# EAGLE board working (EAGLE 9.6.2), part 10 of 28
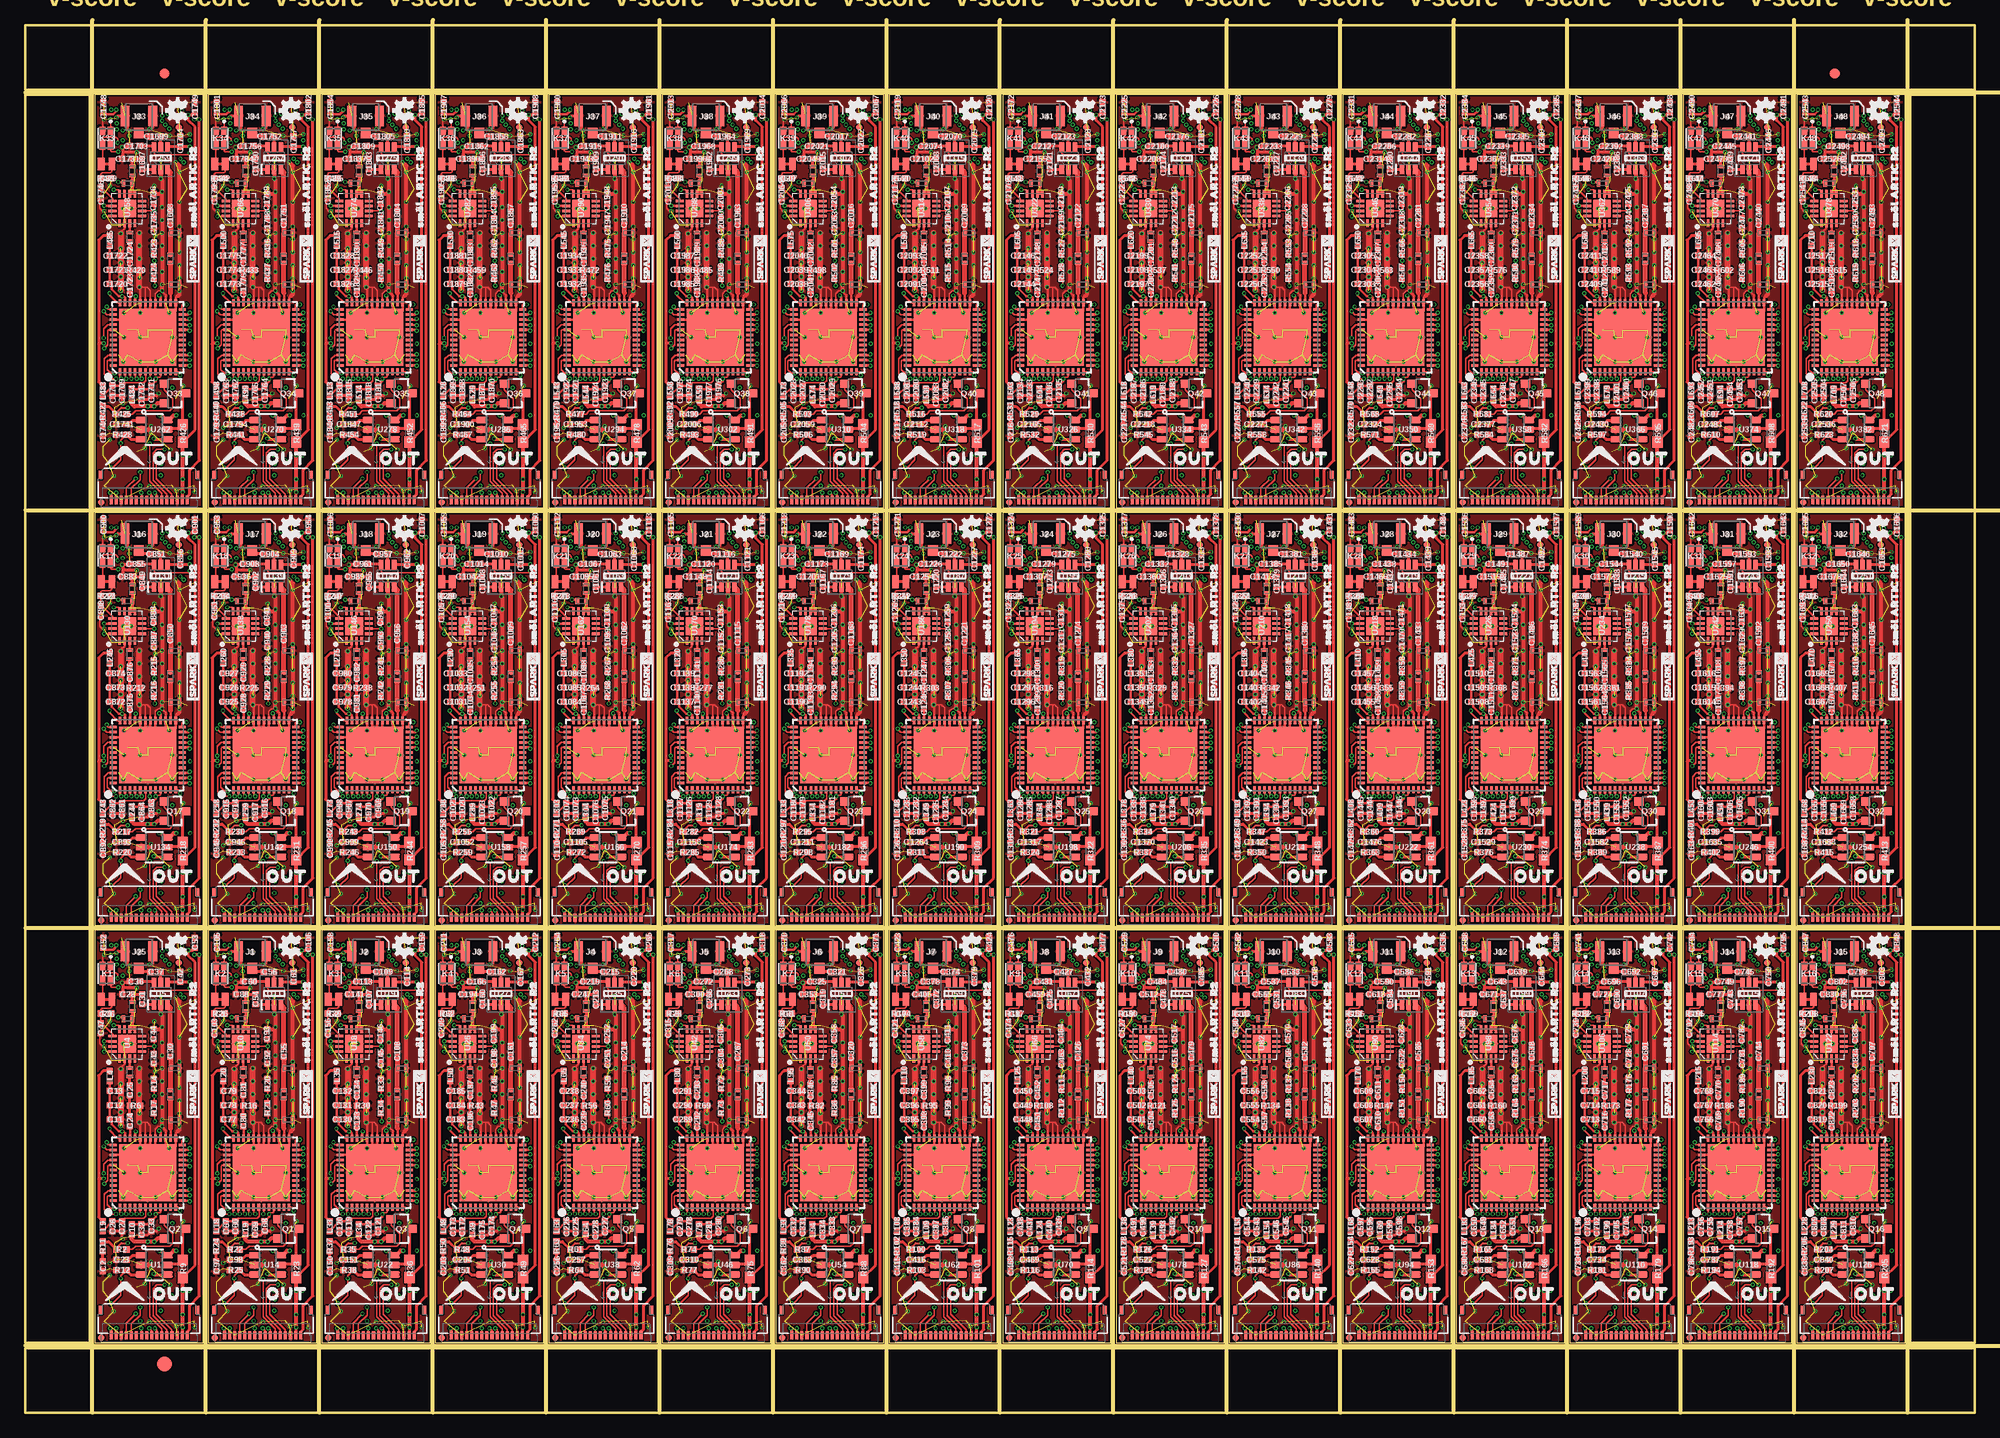
[diagram p0: board, top side]
## Nets (continued)
VDD27: C1436.1 C1467.1 C1468.1 C1469.1 C1477.1 C1478.1 C1479.1 C1482.1 L407.2 L409.2 L411.2 L415.P$1 L420.2 Q28.2 R357.2 U220.1 U220.3 U221.1 U221.3 U224.8 VDD27.1
VDD28: C1489.1 C1520.1 C1521.1 C1522.1 C1530.1 C1531.1 C1532.1 C1535.1 L422.2 L424.2 L426.2 L430.P$1 L435.2 Q29.2 R370.2 U228.1 U228.3 U229.1 U229.3 U232.8 VDD28.1
VDD29: C1542.1 C1573.1 C1574.1 C1575.1 C1583.1 C1584.1 C1585.1 C1588.1 L437.2 L439.2 L441.2 L445.P$1 L450.2 Q30.2 R383.2 U236.1 U236.3 U237.1 U237.3 U240.8 VDD29.1
VDD30: C1595.1 C1626.1 C1627.1 C1628.1 C1636.1 C1637.1 C1638.1 C1641.1 L452.2 L454.2 L456.2 L460.P$1 L465.2 Q31.2 R396.2 U244.1 U244.3 U245.1 U245.3 U248.8 VDD30.1
VDD31: C1648.1 C1679.1 C1680.1 C1681.1 C1689.1 C1690.1 C1691.1 C1694.1 L467.2 L469.2 L471.2 L475.P$1 L480.2 Q32.2 R409.2 U252.1 U252.3 U253.1 U253.3 U256.8 VDD31.1
VDD32: C1701.1 C1732.1 C1733.1 C1734.1 C1742.1 C1743.1 C1744.1 C1747.1 L482.2 L484.2 L486.2 L490.P$1 L495.2 Q33.2 R422.2 U260.1 U260.3 U261.1 U261.3 U264.8 VDD32.1
VDD33: C1754.1 C1785.1 C1786.1 C1787.1 C1795.1 C1796.1 C1797.1 C1800.1 L497.2 L499.2 L501.2 L505.P$1 L510.2 Q34.2 R435.2 U268.1 U268.3 U269.1 U269.3 U272.8 VDD33.1
VDD34: C1807.1 C1838.1 C1839.1 C1840.1 C1848.1 C1849.1 C1850.1 C1853.1 L512.2 L514.2 L516.2 L520.P$1 L525.2 Q35.2 R448.2 U276.1 U276.3 U277.1 U277.3 U280.8 VDD34.1
VDD35: C1860.1 C1891.1 C1892.1 C1893.1 C1901.1 C1902.1 C1903.1 C1906.1 L527.2 L529.2 L531.2 L535.P$1 L540.2 Q36.2 R461.2 U284.1 U284.3 U285.1 U285.3 U288.8 VDD35.1
VDD36: C1913.1 C1944.1 C1945.1 C1946.1 C1954.1 C1955.1 C1956.1 C1959.1 L542.2 L544.2 L546.2 L550.P$1 L555.2 Q37.2 R474.2 U292.1 U292.3 U293.1 U293.3 U296.8 VDD36.1
VDD37: C1966.1 C1997.1 C1998.1 C1999.1 C2007.1 C2008.1 C2009.1 C2012.1 L557.2 L559.2 L561.2 L565.P$1 L570.2 Q38.2 R487.2 U300.1 U300.3 U301.1 U301.3 U304.8 VDD37.1
VDD38: C2019.1 C2050.1 C2051.1 C2052.1 C2060.1 C2061.1 C2062.1 C2065.1 L572.2 L574.2 L576.2 L580.P$1 L585.2 Q39.2 R500.2 U308.1 U308.3 U309.1 U309.3 U312.8 VDD38.1
VDD39: C2072.1 C2103.1 C2104.1 C2105.1 C2113.1 C2114.1 C2115.1 C2118.1 L587.2 L589.2 L591.2 L595.P$1 L600.2 Q40.2 R513.2 U316.1 U316.3 U317.1 U317.3 U320.8 VDD39.1
VDD40: C2125.1 C2156.1 C2157.1 C2158.1 C2166.1 C2167.1 C2168.1 C2171.1 L602.2 L604.2 L606.2 L610.P$1 L615.2 Q41.2 R526.2 U324.1 U324.3 U325.1 U325.3 U328.8 VDD40.1
VDD41: C2178.1 C2209.1 C2210.1 C2211.1 C2219.1 C2220.1 C2221.1 C2224.1 L617.2 L619.2 L621.2 L625.P$1 L630.2 Q42.2 R539.2 U332.1 U332.3 U333.1 U333.3 U336.8 VDD41.1
VDD42: C2231.1 C2262.1 C2263.1 C2264.1 C2272.1 C2273.1 C2274.1 C2277.1 L632.2 L634.2 L636.2 L640.P$1 L645.2 Q43.2 R552.2 U340.1 U340.3 U341.1 U341.3 U344.8 VDD42.1
VDD43: C2284.1 C2315.1 C2316.1 C2317.1 C2325.1 C2326.1 C2327.1 C2330.1 L647.2 L649.2 L651.2 L655.P$1 L660.2 Q44.2 R565.2 U348.1 U348.3 U349.1 U349.3 U352.8 VDD43.1
VDD44: C2337.1 C2368.1 C2369.1 C2370.1 C2378.1 C2379.1 C2380.1 C2383.1 L662.2 L664.2 L666.2 L670.P$1 L675.2 Q45.2 R578.2 U356.1 U356.3 U357.1 U357.3 U360.8 VDD44.1
VDD45: C2390.1 C2421.1 C2422.1 C2423.1 C2431.1 C2432.1 C2433.1 C2436.1 L677.2 L679.2 L681.2 L685.P$1 L690.2 Q46.2 R591.2 U364.1 U364.3 U365.1 U365.3 U368.8 VDD45.1
VDD46: C2443.1 C2474.1 C2475.1 C2476.1 C2484.1 C2485.1 C2486.1 C2489.1 L692.2 L694.2 L696.2 L700.P$1 L705.2 Q47.2 R604.2 U372.1 U372.3 U373.1 U373.3 U376.8 VDD46.1
VDD47: C2496.1 C2527.1 C2528.1 C2529.1 C2537.1 C2538.1 C2539.1 C2542.1 L707.2 L709.2 L711.2 L715.P$1 L720.2 Q48.2 R617.2 U380.1 U380.3 U381.1 U381.3 U384.8 VDD47.1
VREF1: 3V0.1 C20.2 C21.2 G16.2 K1.3 U4.16 U6.5
VREF2: 3V1.1 C83.2 C84.2 G1.2 K2.3 U10.16 U13.5
VREF3: 3V2.1 C136.2 C137.2 G2.2 K3.3 U18.16 U21.5
VREF4: 3V3.1 C189.2 C190.2 G3.2 K4.3 U26.16 U29.5
VREF5: 3V4.1 C242.2 C243.2 G4.2 K5.3 U34.16 U37.5
VREF6: 3V5.1 C295.2 C296.2 G5.2 K6.3 U42.16 U45.5
VREF7: 3V6.1 C348.2 C349.2 G6.2 K7.3 U50.16 U53.5
VREF8: 3V7.1 C401.2 C402.2 G7.2 K8.3 U58.16 U61.5
VREF9: 3V8.1 C454.2 C455.2 G8.2 K9.3 U66.16 U69.5
VREF10: 3V9.1 C507.2 C508.2 G9.2 K10.3 U74.16 U77.5
VREF11: 3V10.1 C560.2 C561.2 G10.2 K11.3 U82.16 U85.5
VREF12: 3V11.1 C613.2 C614.2 G11.2 K12.3 U90.16 U93.5
VREF13: 3V12.1 C666.2 C667.2 G12.2 K13.3 U98.16 U101.5
VREF14: 3V13.1 C719.2 C720.2 G13.2 K14.3 U106.16 U109.5
VREF15: 3V14.1 C772.2 C773.2 G14.2 K15.3 U114.16 U117.5
VREF16: 3V15.1 C825.2 C826.2 G15.2 K16.3 U122.16 U125.5
VREF17: 3V16.1 C878.2 C879.2 G17.2 K17.3 U130.16 U133.5
VREF18: 3V17.1 C931.2 C932.2 G18.2 K18.3 U138.16 U141.5
VREF19: 3V18.1 C984.2 C985.2 G19.2 K19.3 U146.16 U149.5
VREF20: 3V19.1 C1037.2 C1038.2 G20.2 K20.3 U154.16 U157.5
VREF21: 3V20.1 C1090.2 C1091.2 G21.2 K21.3 U162.16 U165.5
VREF22: 3V21.1 C1143.2 C1144.2 G22.2 K22.3 U170.16 U173.5
VREF23: 3V22.1 C1196.2 C1197.2 G23.2 K23.3 U178.16 U181.5
VREF24: 3V23.1 C1249.2 C1250.2 G24.2 K24.3 U186.16 U189.5
VREF25: 3V24.1 C1302.2 C1303.2 G25.2 K25.3 U194.16 U197.5
VREF26: 3V25.1 C1355.2 C1356.2 G26.2 K26.3 U202.16 U205.5
VREF27: 3V26.1 C1408.2 C1409.2 G27.2 K27.3 U210.16 U213.5
VREF28: 3V27.1 C1461.2 C1462.2 G28.2 K28.3 U218.16 U221.5
VREF29: 3V28.1 C1514.2 C1515.2 G29.2 K29.3 U226.16 U229.5
VREF30: 3V29.1 C1567.2 C1568.2 G30.2 K30.3 U234.16 U237.5
VREF31: 3V30.1 C1620.2 C1621.2 G31.2 K31.3 U242.16 U245.5
VREF32: 3V31.1 C1673.2 C1674.2 G32.2 K32.3 U250.16 U253.5
VREF33: 3V32.1 C1726.2 C1727.2 G33.2 K33.3 U258.16 U261.5
VREF34: 3V33.1 C1779.2 C1780.2 G34.2 K34.3 U266.16 U269.5
VREF35: 3V34.1 C1832.2 C1833.2 G35.2 K35.3 U274.16 U277.5
VREF36: 3V35.1 C1885.2 C1886.2 G36.2 K36.3 U282.16 U285.5
VREF37: 3V36.1 C1938.2 C1939.2 G37.2 K37.3 U290.16 U293.5
VREF38: 3V37.1 C1991.2 C1992.2 G38.2 K38.3 U298.16 U301.5
VREF39: 3V38.1 C2044.2 C2045.2 G39.2 K39.3 U306.16 U309.5
VREF40: 3V39.1 C2097.2 C2098.2 G40.2 K40.3 U314.16 U317.5
VREF41: 3V40.1 C2150.2 C2151.2 G41.2 K41.3 U322.16 U325.5
VREF42: 3V41.1 C2203.2 C2204.2 G42.2 K42.3 U330.16 U333.5
VREF43: 3V42.1 C2256.2 C2257.2 G43.2 K43.3 U338.16 U341.5
VREF44: 3V43.1 C2309.2 C2310.2 G44.2 K44.3 U346.16 U349.5
VREF45: 3V44.1 C2362.2 C2363.2 G45.2 K45.3 U354.16 U357.5
VREF46: 3V45.1 C2415.2 C2416.2 G46.2 K46.3 U362.16 U365.5
VREF47: 3V46.1 C2468.2 C2469.2 G47.2 K47.3 U370.16 U373.5
VREF48: 3V47.1 C2521.2 C2522.2 G48.2 K48.3 U378.16 U381.5

## Tracks (layer width: path | path; a pad name or v marks a point on that pad's centre or on a via)
1.8V  (via drill 0.2)
  Top 0.305: L4.2 7.68,33.65 7.23,33.2 7.23,22.99 | 7.23,22.99 7.23,19.25 L9.2 | v7.72,23.05 7.29,23.05 7.23,22.99
  Bottom 0.152: L13.2 14.55,26.23 15.37,26.23 15.61,26.47 16.18,26.47 1V8.1
  Bottom 0.254: U2.5 8.38,15.81 8.19,16 8.19,16.26 C4.1
  Bottom 0.305: L14.2 12.06,21.91 | 12.06,21.91 L2.2 11.05,21.72 10.07,20.74 8.39,20.74 8.38,20.75 | C4.1 7.75,19.76 8.38,20.38 8.38,20.75 | 8.38,20.75 8.38,22.8 8.16,23.01 7.76,23.01 v7.72,23.05 | L13.2 12.83,25.77 12.83,23.88 12.06,23.11 12.06,21.91
1.8V1  (via drill 0.2)
  Top 0.305: L20.2 18.85,33.65 18.4,33.2 18.4,22.99 | 18.4,22.99 18.4,19.25 L18.2 | v18.9,23.05 18.47,23.05 18.4,22.99
  Bottom 0.152: L16.2 25.73,26.23 26.54,26.23 26.79,26.47 27.36,26.47 1V1.1
  Bottom 0.254: U12.5 19.56,15.81 19.37,16 19.37,16.26 C57.1
  Bottom 0.305: L29.2 23.24,21.91 | 23.24,21.91 L22.2 22.23,21.72 21.25,20.74 19.57,20.74 19.56,20.75 | C57.1 18.93,19.76 19.56,20.38 19.56,20.75 | 19.56,20.75 19.56,22.8 19.34,23.01 18.93,23.01 v18.9,23.05 | L16.2 24,25.77 24,23.88 23.24,23.11 23.24,21.91
1.8V2  (via drill 0.2)
  Top 0.305: L35.2 30.03,33.65 29.58,33.2 29.58,22.99 | 29.58,22.99 29.58,19.25 L33.2 | v30.07,23.05 29.64,23.05 29.58,22.99
  Bottom 0.152: L31.2 36.9,26.23 37.72,26.23 37.96,26.47 38.53,26.47 1V2.1
  Bottom 0.254: U20.5 30.73,15.81 30.54,16 30.54,16.26 C110.1
  Bottom 0.305: L44.2 34.42,21.91 | 34.42,21.91 L37.2 33.4,21.72 32.42,20.74 30.75,20.74 30.73,20.75 | C110.1 30.11,19.76 30.73,20.38 30.73,20.75 | 30.73,20.75 30.73,22.8 30.52,23.01 30.11,23.01 v30.07,23.05 | L31.2 35.18,25.77 35.18,23.88 34.42,23.11 34.42,21.91
1.8V3  (via drill 0.2)
  Top 0.305: L50.2 41.2,33.65 40.75,33.2 40.75,22.99 | 40.75,22.99 40.75,19.25 L48.2 | v41.25,23.05 40.82,23.05 40.75,22.99
  Bottom 0.152: L46.2 48.08,26.23 48.89,26.23 49.14,26.47 49.71,26.47 1V3.1
  Bottom 0.254: U28.5 41.91,15.81 41.72,16 41.72,16.26 C163.1
  Bottom 0.305: L59.2 45.59,21.91 | 45.59,21.91 L52.2 44.58,21.72 43.6,20.74 41.92,20.74 41.91,20.75 | C163.1 41.28,19.76 41.91,20.38 41.91,20.75 | 41.91,20.75 41.91,22.8 41.69,23.01 41.29,23.01 v41.25,23.05 | L46.2 46.35,25.77 46.35,23.88 45.59,23.11 45.59,21.91
1.8V4  (via drill 0.2)
  Top 0.305: L65.2 52.38,33.65 51.93,33.2 51.93,22.99 | 51.93,22.99 51.93,19.25 L63.2 | v52.42,23.05 51.99,23.05 51.93,22.99
  Bottom 0.152: L61.2 59.25,26.23 60.07,26.23 60.31,26.47 60.88,26.47 1V4.1
  Bottom 0.254: U36.5 53.09,15.81 52.9,16 52.9,16.26 C216.1
  Bottom 0.305: L74.2 56.77,21.91 | 56.77,21.91 L67.2 55.75,21.72 54.78,20.74 53.1,20.74 53.09,20.75 | C216.1 52.46,19.76 53.09,20.38 53.09,20.75 | 53.09,20.75 53.09,22.8 52.87,23.01 52.46,23.01 v52.42,23.05 | L61.2 57.53,25.77 57.53,23.88 56.77,23.11 56.77,21.91
1.8V5  (via drill 0.2)
  Top 0.305: L80.2 63.55,33.65 63.11,33.2 63.11,22.99 | 63.11,22.99 63.11,19.25 L78.2 | v63.6,23.05 63.17,23.05 63.11,22.99
  Bottom 0.152: L76.2 70.43,26.23 71.25,26.23 71.49,26.47 72.06,26.47 1V5.1
  Bottom 0.254: U44.5 64.26,15.81 64.07,16 64.07,16.26 C269.1
  Bottom 0.305: L89.2 67.95,21.91 | 67.95,21.91 L82.2 66.93,21.72 65.95,20.74 64.27,20.74 64.26,20.75 | C269.1 63.63,19.76 64.26,20.38 64.26,20.75 | 64.26,20.75 64.26,22.8 64.05,23.01 63.64,23.01 v63.6,23.05 | L76.2 68.71,25.77 68.71,23.88 67.95,23.11 67.95,21.91
1.8V6  (via drill 0.2)
  Top 0.305: L95.2 74.73,33.65 74.28,33.2 74.28,22.99 | 74.28,22.99 74.28,19.25 L93.2 | v74.78,23.05 74.35,23.05 74.28,22.99
  Bottom 0.152: L91.2 81.61,26.23 82.42,26.23 82.67,26.47 83.24,26.47 1V6.1
  Bottom 0.254: U52.5 75.44,15.81 75.25,16 75.25,16.26 C322.1
  Bottom 0.305: L104.2 79.12,21.91 | 79.12,21.91 L97.2 78.11,21.72 77.13,20.74 75.45,20.74 75.44,20.75 | C322.1 74.81,19.76 75.44,20.38 75.44,20.75 | 75.44,20.75 75.44,22.8 75.22,23.01 74.81,23.01 v74.78,23.05 | L91.2 79.88,25.77 79.88,23.88 79.12,23.11 79.12,21.91
1.8V7  (via drill 0.2)
  Top 0.305: L110.2 85.91,33.65 85.46,33.2 85.46,22.99 | 85.46,22.99 85.46,19.25 L108.2 | v85.95,23.05 85.52,23.05 85.46,22.99
  Bottom 0.152: L106.2 92.78,26.23 93.6,26.23 93.84,26.47 94.41,26.47 1V7.1
  Bottom 0.254: U60.5 86.62,15.81 86.42,16 86.42,16.26 C375.1
  Bottom 0.305: L119.2 90.3,21.91 | 90.3,21.91 L112.2 89.28,21.72 88.31,20.74 86.62,20.74 86.61,20.75 | C375.1 85.99,19.76 86.61,20.38 86.61,20.75 | 86.61,20.75 86.61,22.8 86.4,23.01 85.99,23.01 v85.95,23.05 | L106.2 91.06,25.77 91.06,23.88 90.3,23.11 90.3,21.91
1.8V8  (via drill 0.2)
  Top 0.305: L125.2 97.08,33.65 96.63,33.2 96.63,22.99 | 96.63,22.99 96.63,19.25 L123.2 | v97.13,23.05 96.7,23.05 96.63,22.99
  Bottom 0.152: L121.2 103.96,26.23 104.78,26.23 105.02,26.47 105.59,26.47 1V9.1
  Bottom 0.254: U68.5 97.79,15.81 97.6,16 97.6,16.26 C428.1
  Bottom 0.305: L134.2 101.47,21.91 | 101.47,21.91 L127.2 100.46,21.72 99.48,20.74 97.8,20.74 97.79,20.75 | C428.1 97.16,19.76 97.79,20.38 97.79,20.75 | 97.79,20.75 97.79,22.8 97.57,23.01 97.17,23.01 v97.13,23.05 | L121.2 102.23,25.77 102.23,23.88 101.47,23.11 101.47,21.91
1.8V9  (via drill 0.2)
  Top 0.305: L140.2 108.26,33.65 107.81,33.2 107.81,22.99 | 107.81,22.99 107.81,19.25 L138.2 | v108.31,23.05 107.88,23.05 107.81,22.99
  Bottom 0.152: L136.2 115.13,26.23 115.95,26.23 116.19,26.47 116.77,26.47 1V10.1
  Bottom 0.254: U76.5 108.97,15.81 108.78,16 108.78,16.26 C481.1
  Bottom 0.305: L149.2 112.65,21.91 | 112.65,21.91 L142.2 111.63,21.72 110.66,20.74 108.98,20.74 108.97,20.75 | C481.1 108.34,19.76 108.97,20.38 108.97,20.75 | 108.97,20.75 108.97,22.8 108.75,23.01 108.34,23.01 v108.31,23.05 | L136.2 113.41,25.77 113.41,23.88 112.65,23.11 112.65,21.91
1.8V10  (via drill 0.2)
  Top 0.305: L155.2 119.44,33.65 118.99,33.2 118.99,22.99 | 118.99,22.99 118.99,19.25 L153.2 | v119.48,23.05 119.05,23.05 118.99,22.99
  Bottom 0.152: L151.2 126.31,26.23 127.13,26.23 127.37,26.47 127.94,26.47 1V11.1
  Bottom 0.254: U84.5 120.14,15.81 119.95,16 119.95,16.26 C534.1
  Bottom 0.305: L164.2 123.83,21.91 | 123.83,21.91 L157.2 122.81,21.72 121.83,20.74 120.15,20.74 120.14,20.75 | C534.1 119.52,19.76 120.14,20.38 120.14,20.75 | 120.14,20.75 120.14,22.8 119.92,23.01 119.52,23.01 v119.48,23.05 | L151.2 124.59,25.77 124.59,23.88 123.83,23.11 123.83,21.91
1.8V11  (via drill 0.2)
  Top 0.305: L170.2 130.61,33.65 130.16,33.2 130.16,22.99 | 130.16,22.99 130.16,19.25 L168.2 | v130.66,23.05 130.23,23.05 130.16,22.99
  Bottom 0.152: L166.2 137.49,26.23 138.3,26.23 138.55,26.47 139.12,26.47 1V12.1
  Bottom 0.254: U92.5 131.32,15.81 131.13,16 131.13,16.26 C587.1
  Bottom 0.305: L179.2 135,21.91 | 135,21.91 L172.2 133.98,21.72 133.01,20.74 131.33,20.74 131.32,20.75 | C587.1 130.69,19.76 131.32,20.38 131.32,20.75 | 131.32,20.75 131.32,22.8 131.1,23.01 130.69,23.01 v130.66,23.05 | L166.2 135.76,25.77 135.76,23.88 135,23.11 135,21.91
1.8V12  (via drill 0.2)
  Top 0.305: L185.2 141.79,33.65 141.34,33.2 141.34,22.99 | 141.34,22.99 141.34,19.25 L183.2 | v141.83,23.05 141.4,23.05 141.34,22.99
  Bottom 0.152: L181.2 148.66,26.23 149.48,26.23 149.72,26.47 150.29,26.47 1V13.1
  Bottom 0.254: U100.5 142.5,15.81 142.3,16 142.3,16.26 C640.1
  Bottom 0.305: L194.2 146.18,21.91 | 146.18,21.91 L187.2 145.16,21.72 144.19,20.74 142.5,20.74 142.49,20.75 | C640.1 141.87,19.76 142.49,20.38 142.49,20.75 | 142.49,20.75 142.49,22.8 142.28,23.01 141.87,23.01 v141.83,23.05 | L181.2 146.94,25.77 146.94,23.88 146.18,23.11 146.18,21.91
1.8V13  (via drill 0.2)
  Top 0.305: L200.2 152.96,33.65 152.51,33.2 152.51,22.99 | 152.51,22.99 152.51,19.25 L198.2 | v153.01,23.05 152.58,23.05 152.51,22.99
  Bottom 0.152: L196.2 159.84,26.23 160.66,26.23 160.9,26.47 161.47,26.47 1V14.1
  Bottom 0.254: U108.5 153.67,15.81 153.48,16 153.48,16.26 C693.1
  Bottom 0.305: L209.2 157.35,21.91 | 157.35,21.91 L202.2 156.34,21.72 155.36,20.74 153.68,20.74 153.67,20.75 | C693.1 153.04,19.76 153.67,20.38 153.67,20.75 | 153.67,20.75 153.67,22.8 153.45,23.01 153.05,23.01 v153.01,23.05 | L196.2 158.12,25.77 158.12,23.88 157.35,23.11 157.35,21.91
1.8V14  (via drill 0.2)
  Top 0.305: L215.2 164.14,33.65 163.69,33.2 163.69,22.99 | 163.69,22.99 163.69,19.25 L213.2 | v164.19,23.05 163.75,23.05 163.69,22.99
  Bottom 0.152: L211.2 171.01,26.23 171.83,26.23 172.07,26.47 172.65,26.47 1V15.1
  Bottom 0.254: U116.5 164.85,15.81 164.66,16 164.66,16.26 C746.1
  Bottom 0.305: L224.2 168.53,21.91 | 168.53,21.91 L217.2 167.51,21.72 166.54,20.74 164.86,20.74 164.85,20.75 | C746.1 164.22,19.76 164.85,20.38 164.85,20.75 | 164.85,20.75 164.85,22.8 164.63,23.01 164.22,23.01 v164.19,23.05 | L211.2 169.29,25.77 169.29,23.88 168.53,23.11 168.53,21.91
1.8V15  (via drill 0.2)
  Top 0.305: L230.2 175.32,33.65 174.87,33.2 174.87,22.99 | 174.87,22.99 174.87,19.25 L228.2 | v175.36,23.05 174.93,23.05 174.87,22.99
  Bottom 0.152: L226.2 182.19,26.23 183.01,26.23 183.25,26.47 183.82,26.47 1V16.1
  Bottom 0.254: U124.5 176.02,15.81 175.83,16 175.83,16.26 C799.1
  Bottom 0.305: L239.2 179.71,21.91 | 179.71,21.91 L232.2 178.69,21.72 177.71,20.74 176.03,20.74 176.02,20.75 | C799.1 175.4,19.76 176.02,20.38 176.02,20.75 | 176.02,20.75 176.02,22.8 175.8,23.01 175.4,23.01 v175.36,23.05 | L226.2 180.47,25.77 180.47,23.88 179.71,23.11 179.71,21.91
1.8V16  (via drill 0.2)
  Top 0.305: L245.2 7.68,74.8 7.23,74.35 7.23,64.14 | 7.23,64.14 7.23,60.39 L243.2 | v7.72,64.2 7.29,64.2 7.23,64.14
  Bottom 0.152: L241.2 14.55,67.37 15.37,67.37 15.61,67.62 16.18,67.62 1V17.1
  Bottom 0.254: U132.5 8.38,56.96 8.19,57.15 8.19,57.41 C852.1
  Bottom 0.305: L254.2 12.06,63.06 | 12.06,63.06 L247.2 11.05,62.86 10.07,61.89 8.39,61.89 8.38,61.9 | C852.1 7.75,60.9 8.38,61.53 8.38,61.9 | 8.38,61.9 8.38,63.95 8.16,64.16 7.76,64.16 v7.72,64.2 | L241.2 12.83,66.92 12.83,65.02 12.06,64.26 12.06,63.06
1.8V17  (via drill 0.2)
  Top 0.305: L260.2 18.85,74.8 18.4,74.35 18.4,64.14 | 18.4,64.14 18.4,60.39 L258.2 | v18.9,64.2 18.47,64.2 18.4,64.14
  Bottom 0.152: L256.2 25.73,67.37 26.54,67.37 26.79,67.62 27.36,67.62 1V18.1
  Bottom 0.254: U140.5 19.56,56.96 19.37,57.15 19.37,57.41 C905.1
  Bottom 0.305: L269.2 23.24,63.06 | 23.24,63.06 L262.2 22.23,62.86 21.25,61.89 19.57,61.89 19.56,61.9 | C905.1 18.93,60.9 19.56,61.53 19.56,61.9 | 19.56,61.9 19.56,63.95 19.34,64.16 18.93,64.16 v18.9,64.2 | L256.2 24,66.92 24,65.02 23.24,64.26 23.24,63.06
1.8V18  (via drill 0.2)
  Top 0.305: L275.2 30.03,74.8 29.58,74.35 29.58,64.14 | 29.58,64.14 29.58,60.39 L273.2 | v30.07,64.2 29.64,64.2 29.58,64.14
  Bottom 0.152: L271.2 36.9,67.37 37.72,67.37 37.96,67.62 38.53,67.62 1V19.1
  Bottom 0.254: U148.5 30.73,56.96 30.54,57.15 30.54,57.41 C958.1
  Bottom 0.305: L284.2 34.42,63.06 | 34.42,63.06 L277.2 33.4,62.86 32.42,61.89 30.75,61.89 30.73,61.9 | C958.1 30.11,60.9 30.73,61.53 30.73,61.9 | 30.73,61.9 30.73,63.95 30.52,64.16 30.11,64.16 v30.07,64.2 | L271.2 35.18,66.92 35.18,65.02 34.42,64.26 34.42,63.06
1.8V19  (via drill 0.2)
  Top 0.305: L290.2 41.2,74.8 40.75,74.35 40.75,64.14 | 40.75,64.14 40.75,60.39 L288.2 | v41.25,64.2 40.82,64.2 40.75,64.14
  Bottom 0.152: L286.2 48.08,67.37 48.89,67.37 49.14,67.62 49.71,67.62 1V20.1
  Bottom 0.254: U156.5 41.91,56.96 41.72,57.15 41.72,57.41 C1011.1
  Bottom 0.305: L299.2 45.59,63.06 | 45.59,63.06 L292.2 44.58,62.86 43.6,61.89 41.92,61.89 41.91,61.9 | C1011.1 41.28,60.9 41.91,61.53 41.91,61.9 | 41.91,61.9 41.91,63.95 41.69,64.16 41.29,64.16 v41.25,64.2 | L286.2 46.35,66.92 46.35,65.02 45.59,64.26 45.59,63.06
1.8V20  (via drill 0.2)
  Top 0.305: L305.2 52.38,74.8 51.93,74.35 51.93,64.14 | 51.93,64.14 51.93,60.39 L303.2 | v52.42,64.2 51.99,64.2 51.93,64.14
  Bottom 0.152: L301.2 59.25,67.37 60.07,67.37 60.31,67.62 60.88,67.62 1V21.1
  Bottom 0.254: U164.5 53.09,56.96 52.9,57.15 52.9,57.41 C1064.1
  Bottom 0.305: L314.2 56.77,63.06 | 56.77,63.06 L307.2 55.75,62.86 54.78,61.89 53.1,61.89 53.09,61.9 | C1064.1 52.46,60.9 53.09,61.53 53.09,61.9 | 53.09,61.9 53.09,63.95 52.87,64.16 52.46,64.16 v52.42,64.2 | L301.2 57.53,66.92 57.53,65.02 56.77,64.26 56.77,63.06
1.8V21  (via drill 0.2)
  Top 0.305: L320.2 63.55,74.8 63.11,74.35 63.11,64.14 | 63.11,64.14 63.11,60.39 L318.2 | v63.6,64.2 63.17,64.2 63.11,64.14
  Bottom 0.152: L316.2 70.43,67.37 71.25,67.37 71.49,67.62 72.06,67.62 1V22.1
  Bottom 0.254: U172.5 64.26,56.96 64.07,57.15 64.07,57.41 C1117.1
  Bottom 0.305: L329.2 67.95,63.06 | 67.95,63.06 L322.2 66.93,62.86 65.95,61.89 64.27,61.89 64.26,61.9 | C1117.1 63.63,60.9 64.26,61.53 64.26,61.9 | 64.26,61.9 64.26,63.95 64.05,64.16 63.64,64.16 v63.6,64.2 | L316.2 68.71,66.92 68.71,65.02 67.95,64.26 67.95,63.06
1.8V22  (via drill 0.2)
  Top 0.305: L335.2 74.73,74.8 74.28,74.35 74.28,64.14 | 74.28,64.14 74.28,60.39 L333.2 | v74.78,64.2 74.35,64.2 74.28,64.14
  Bottom 0.152: L331.2 81.61,67.37 82.42,67.37 82.67,67.62 83.24,67.62 1V23.1
  Bottom 0.254: U180.5 75.44,56.96 75.25,57.15 75.25,57.41 C1170.1
  Bottom 0.305: L344.2 79.12,63.06 | 79.12,63.06 L337.2 78.11,62.86 77.13,61.89 75.45,61.89 75.44,61.9 | C1170.1 74.81,60.9 75.44,61.53 75.44,61.9 | 75.44,61.9 75.44,63.95 75.22,64.16 74.81,64.16 v74.78,64.2 | L331.2 79.88,66.92 79.88,65.02 79.12,64.26 79.12,63.06
1.8V23  (via drill 0.2)
  Top 0.305: L350.2 85.91,74.8 85.46,74.35 85.46,64.14 | 85.46,64.14 85.46,60.39 L348.2 | v85.95,64.2 85.52,64.2 85.46,64.14
  Bottom 0.152: L346.2 92.78,67.37 93.6,67.37 93.84,67.62 94.41,67.62 1V24.1
  Bottom 0.254: U188.5 86.62,56.96 86.42,57.15 86.42,57.41 C1223.1
  Bottom 0.305: L359.2 90.3,63.06 | 90.3,63.06 L352.2 89.28,62.86 88.31,61.89 86.62,61.89 86.61,61.9 | C1223.1 85.99,60.9 86.61,61.53 86.61,61.9 | 86.61,61.9 86.61,63.95 86.4,64.16 85.99,64.16 v85.95,64.2 | L346.2 91.06,66.92 91.06,65.02 90.3,64.26 90.3,63.06
1.8V24  (via drill 0.2)
  Top 0.305: L365.2 97.08,74.8 96.63,74.35 96.63,64.14 | 96.63,64.14 96.63,60.39 L363.2 | v97.13,64.2 96.7,64.2 96.63,64.14
  Bottom 0.152: L361.2 103.96,67.37 104.78,67.37 105.02,67.62 105.59,67.62 1V25.1
  Bottom 0.254: U196.5 97.79,56.96 97.6,57.15 97.6,57.41 C1276.1
  Bottom 0.305: L374.2 101.47,63.06 | 101.47,63.06 L367.2 100.46,62.86 99.48,61.89 97.8,61.89 97.79,61.9 | C1276.1 97.16,60.9 97.79,61.53 97.79,61.9 | 97.79,61.9 97.79,63.95 97.57,64.16 97.17,64.16 v97.13,64.2 | L361.2 102.23,66.92 102.23,65.02 101.47,64.26 101.47,63.06
1.8V25  (via drill 0.2)
  Top 0.305: L380.2 108.26,74.8 107.81,74.35 107.81,64.14 | 107.81,64.14 107.81,60.39 L378.2 | v108.31,64.2 107.88,64.2 107.81,64.14
  Bottom 0.152: L376.2 115.13,67.37 115.95,67.37 116.19,67.62 116.77,67.62 1V26.1
  Bottom 0.254: U204.5 108.97,56.96 108.78,57.15 108.78,57.41 C1329.1
  Bottom 0.305: L389.2 112.65,63.06 | 112.65,63.06 L382.2 111.63,62.86 110.66,61.89 108.98,61.89 108.97,61.9 | C1329.1 108.34,60.9 108.97,61.53 108.97,61.9 | 108.97,61.9 108.97,63.95 108.75,64.16 108.34,64.16 v108.31,64.2 | L376.2 113.41,66.92 113.41,65.02 112.65,64.26 112.65,63.06
1.8V26  (via drill 0.2)
  Top 0.305: L395.2 119.44,74.8 118.99,74.35 118.99,64.14 | 118.99,64.14 118.99,60.39 L393.2 | v119.48,64.2 119.05,64.2 118.99,64.14
  Bottom 0.152: L391.2 126.31,67.37 127.13,67.37 127.37,67.62 127.94,67.62 1V27.1
  Bottom 0.254: U212.5 120.14,56.96 119.95,57.15 119.95,57.41 C1382.1
  Bottom 0.305: L404.2 123.83,63.06 | 123.83,63.06 L397.2 122.81,62.86 121.83,61.89 120.15,61.89 120.14,61.9 | C1382.1 119.52,60.9 120.14,61.53 120.14,61.9 | 120.14,61.9 120.14,63.95 119.92,64.16 119.52,64.16 v119.48,64.2 | L391.2 124.59,66.92 124.59,65.02 123.83,64.26 123.83,63.06
1.8V27  (via drill 0.2)
  Top 0.305: L410.2 130.61,74.8 130.16,74.35 130.16,64.14 | 130.16,64.14 130.16,60.39 L408.2 | v130.66,64.2 130.23,64.2 130.16,64.14
  Bottom 0.152: L406.2 137.49,67.37 138.3,67.37 138.55,67.62 139.12,67.62 1V28.1
  Bottom 0.254: U220.5 131.32,56.96 131.13,57.15 131.13,57.41 C1435.1
  Bottom 0.305: L419.2 135,63.06 | 135,63.06 L412.2 133.98,62.86 133.01,61.89 131.33,61.89 131.32,61.9 | C1435.1 130.69,60.9 131.32,61.53 131.32,61.9 | 131.32,61.9 131.32,63.95 131.1,64.16 130.69,64.16 v130.66,64.2 | L406.2 135.76,66.92 135.76,65.02 135,64.26 135,63.06
1.8V28  (via drill 0.2)
  Top 0.305: L425.2 141.79,74.8 141.34,74.35 141.34,64.14 | 141.34,64.14 141.34,60.39 L423.2 | v141.83,64.2 141.4,64.2 141.34,64.14
  Bottom 0.152: L421.2 148.66,67.37 149.48,67.37 149.72,67.62 150.29,67.62 1V29.1
  Bottom 0.254: U228.5 142.5,56.96 142.3,57.15 142.3,57.41 C1488.1
  Bottom 0.305: L434.2 146.18,63.06 | 146.18,63.06 L427.2 145.16,62.86 144.19,61.89 142.5,61.89 142.49,61.9 | C1488.1 141.87,60.9 142.49,61.53 142.49,61.9 | 142.49,61.9 142.49,63.95 142.28,64.16 141.87,64.16 v141.83,64.2 | L421.2 146.94,66.92 146.94,65.02 146.18,64.26 146.18,63.06
1.8V29  (via drill 0.2)
  Top 0.305: L440.2 152.96,74.8 152.51,74.35 152.51,64.14 | 152.51,64.14 152.51,60.39 L438.2 | v153.01,64.2 152.58,64.2 152.51,64.14
  Bottom 0.152: L436.2 159.84,67.37 160.66,67.37 160.9,67.62 161.47,67.62 1V30.1
  Bottom 0.254: U236.5 153.67,56.96 153.48,57.15 153.48,57.41 C1541.1
  Bottom 0.305: L449.2 157.35,63.06 | 157.35,63.06 L442.2 156.34,62.86 155.36,61.89 153.68,61.89 153.67,61.9 | C1541.1 153.04,60.9 153.67,61.53 153.67,61.9 | 153.67,61.9 153.67,63.95 153.45,64.16 153.05,64.16 v153.01,64.2 | L436.2 158.12,66.92 158.12,65.02 157.35,64.26 157.35,63.06
1.8V30  (via drill 0.2)
  Top 0.305: L455.2 164.14,74.8 163.69,74.35 163.69,64.14 | 163.69,64.14 163.69,60.39 L453.2 | v164.19,64.2 163.75,64.2 163.69,64.14
  Bottom 0.152: L451.2 171.01,67.37 171.83,67.37 172.07,67.62 172.65,67.62 1V31.1
  Bottom 0.254: U244.5 164.85,56.96 164.66,57.15 164.66,57.41 C1594.1
  Bottom 0.305: L464.2 168.53,63.06 | 168.53,63.06 L457.2 167.51,62.86 166.54,61.89 164.86,61.89 164.85,61.9 | C1594.1 164.22,60.9 164.85,61.53 164.85,61.9 | 164.85,61.9 164.85,63.95 164.63,64.16 164.22,64.16 v164.19,64.2 | L451.2 169.29,66.92 169.29,65.02 168.53,64.26 168.53,63.06
1.8V31  (via drill 0.2)
  Top 0.305: L470.2 175.32,74.8 174.87,74.35 174.87,64.14 | 174.87,64.14 174.87,60.39 L468.2 | v175.36,64.2 174.93,64.2 174.87,64.14
  Bottom 0.152: L466.2 182.19,67.37 183.01,67.37 183.25,67.62 183.82,67.62 1V32.1
  Bottom 0.254: U252.5 176.02,56.96 175.83,57.15 175.83,57.41 C1647.1
  Bottom 0.305: L479.2 179.71,63.06 | 179.71,63.06 L472.2 178.69,62.86 177.71,61.89 176.03,61.89 176.02,61.9 | C1647.1 175.4,60.9 176.02,61.53 176.02,61.9 | 176.02,61.9 176.02,63.95 175.8,64.16 175.4,64.16 v175.36,64.2 | L466.2 180.47,66.92 180.47,65.02 179.71,64.26 179.71,63.06
1.8V32  (via drill 0.2)
  Top 0.305: L485.2 7.68,115.94 7.23,115.49 7.23,105.28 | 7.23,105.28 7.23,101.54 L483.2 | v7.72,105.35 7.29,105.35 7.23,105.28
  Bottom 0.152: L481.2 14.55,108.52 15.37,108.52 15.61,108.76 16.18,108.76 1V33.1
  Bottom 0.254: U260.5 8.38,98.11 8.19,98.3 8.19,98.56 C1700.1
  Bottom 0.305: L494.2 12.06,104.21 | 12.06,104.21 L487.2 11.05,104.01 10.07,103.04 8.39,103.04 8.38,103.05 | C1700.1 7.75,102.05 8.38,102.68 8.38,103.05 | 8.38,103.05 8.38,105.09 8.16,105.31 7.76,105.31 v7.72,105.35 | L481.2 12.83,108.07 12.83,106.17 12.06,105.41 12.06,104.21